# KiCad board MinicalcControlPanel.kicad_pcb (continued)
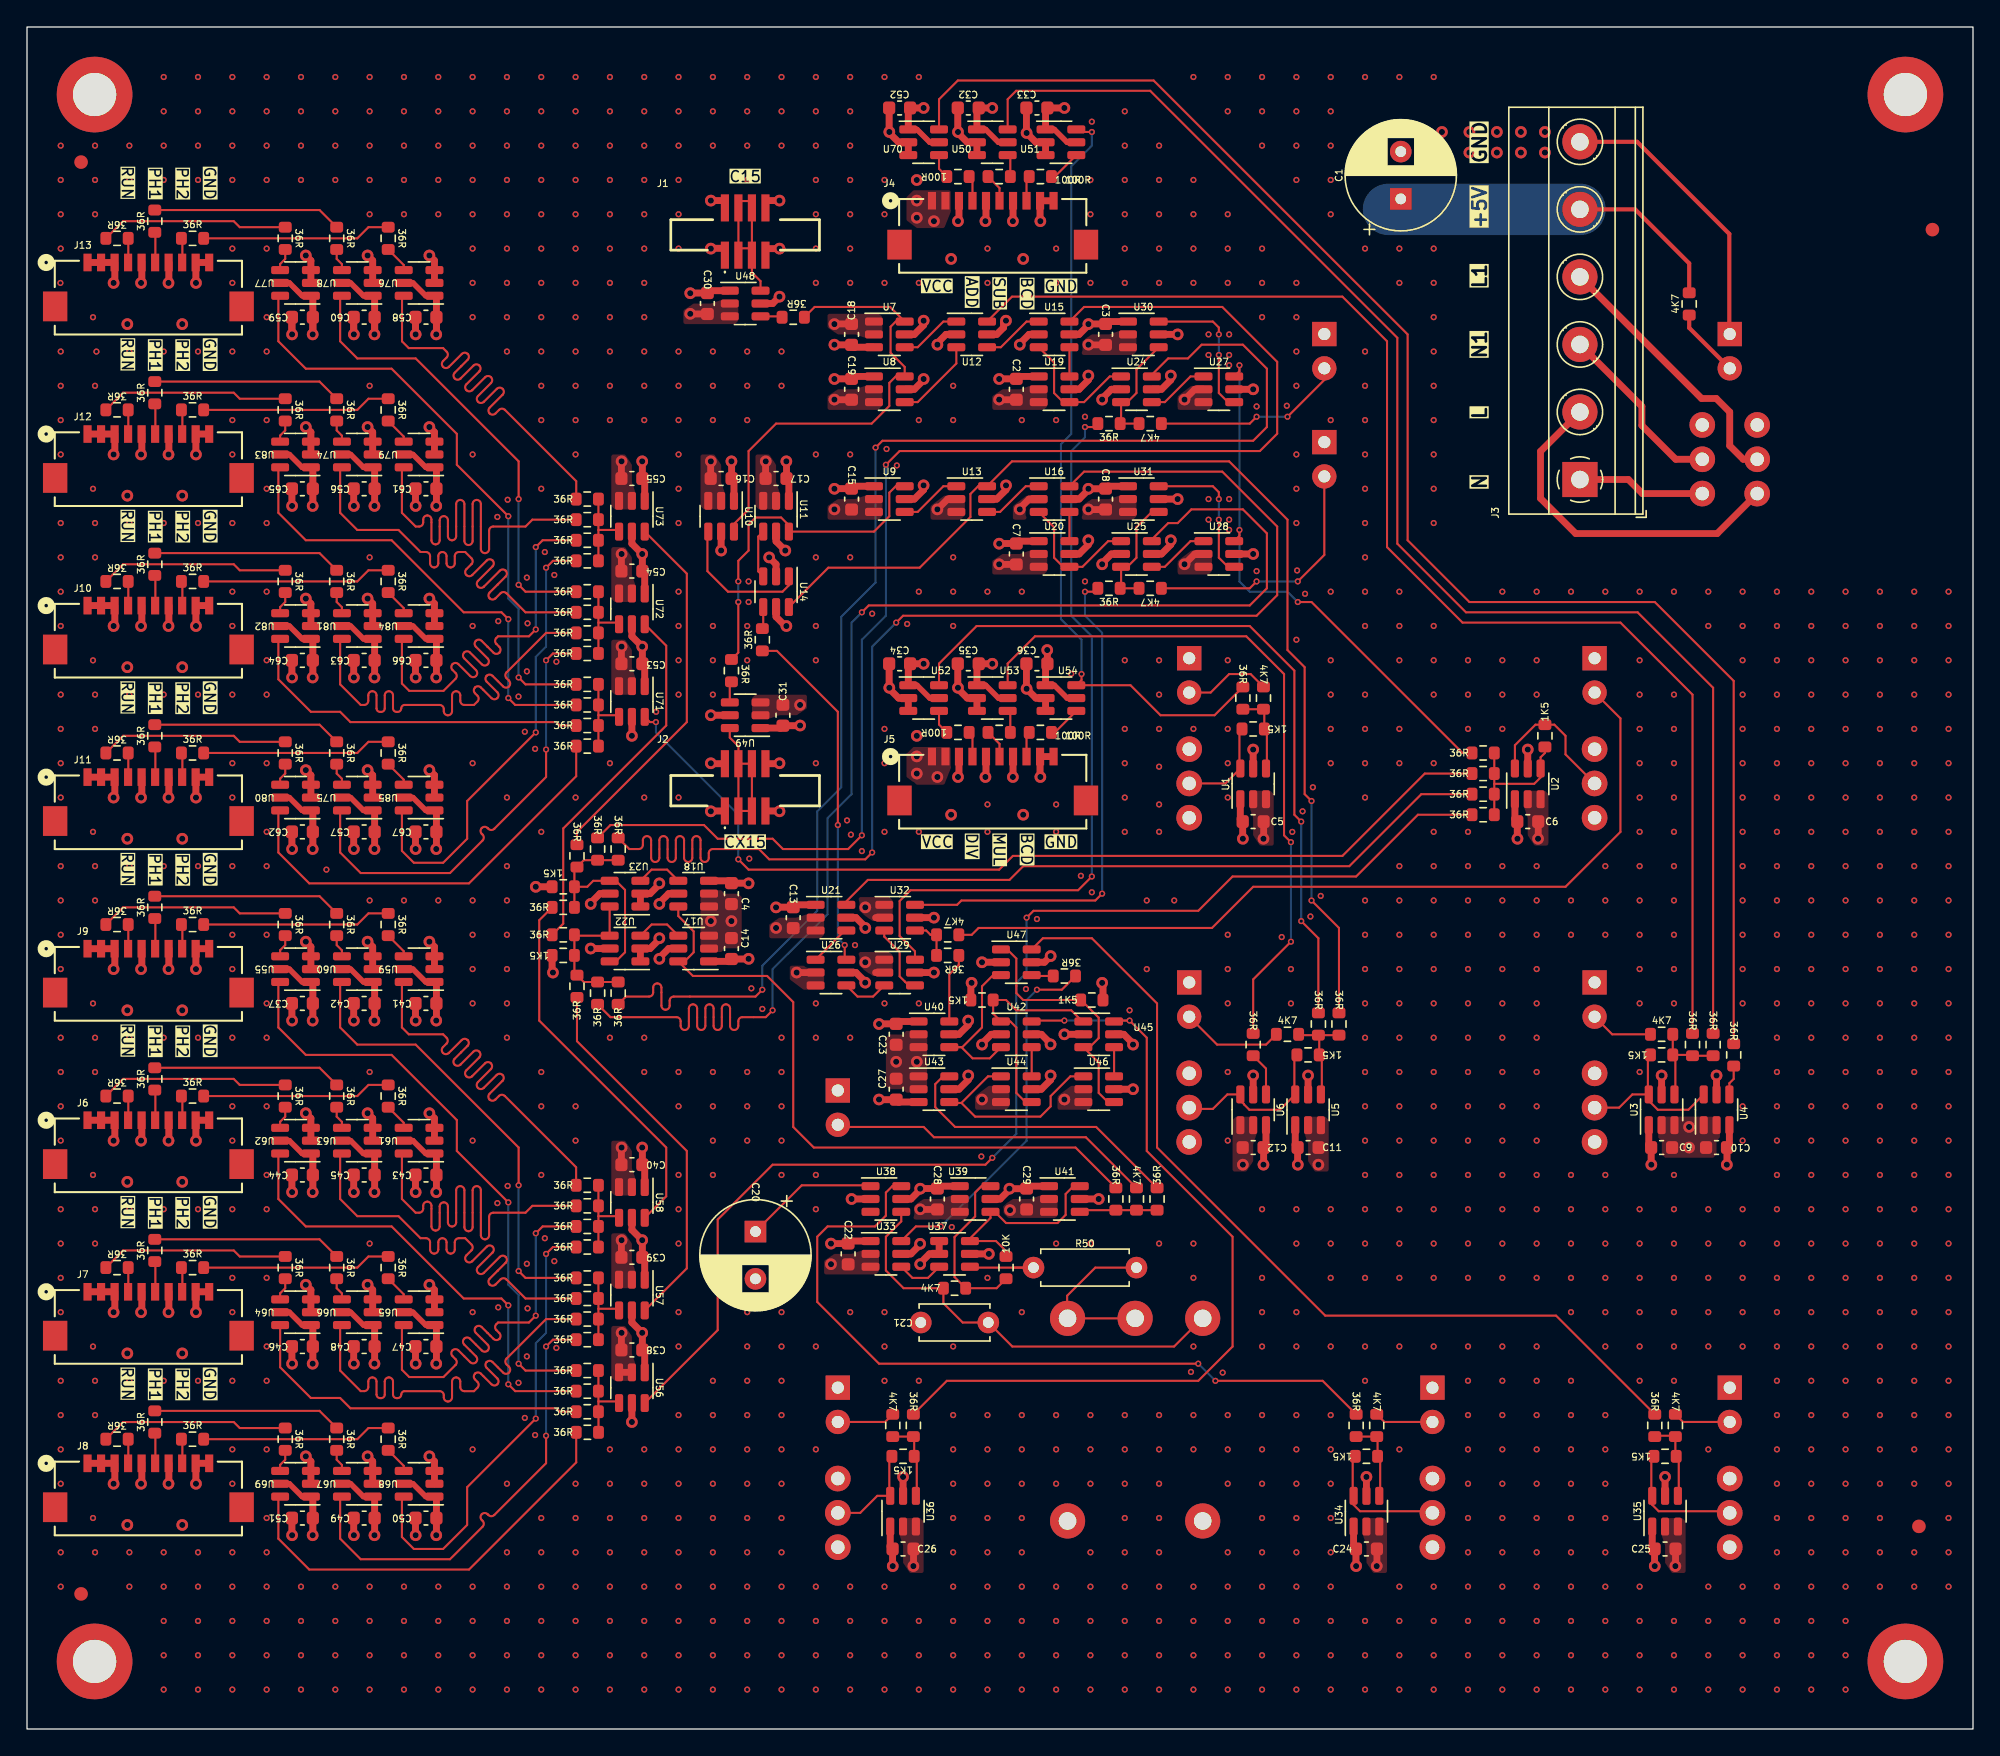
[diagram p0: board, top side]
## Routing (per net, layer and track width the routed paths; a pad name or vN(x,y) marks a point on that pad's centre or on a via; arc(x,y) is an arc through that point) (continued)
VCC: length 391.3
  Top w0.152: 61.02,91.53 61.49,92 62.15,92
  Top w0.305: J3.5 119,112.5 123,108.5 R40.2
  Top w0.406: U77.1 20.36,106.1 19.41,107.05 U77.5 ; U63.1 24.9,42.6 23.95,43.55 U63.5 ; U54.5 76.97,76.32 76.02,77.27 U54.1 ; U75.5 23.95,68.95 24.9,68 U75.1 ; U61.5 28.56,43.55 29.51,42.6 U61.1 ; U66.5 23.95,30.85 24.9,29.9 U66.1 ; U62.1 20.36,42.6 19.41,43.55 U62.5 ; U59.5 28.56,56.25 29.51,55.3 U59.1 ; U83.1 20.36,93.4 19.41,94.35 U83.5 ; U81.5 23.95,81.65 24.9,80.7 U81.1 ; U52.1 65.86,77.27 66.81,76.32 U52.5 ; U64.5 19.41,30.85 20.36,29.9 U64.1 ; U68.1 29.51,17.2 28.56,18.15 U68.5 ; U80.1 20.36,68 19.41,68.95 U80.5 ; U60.1 24.9,55.3 23.95,56.25 U60.5 ; U51.5 76.97,117.47 76.02,118.42 U51.1 ; U50.5 71.89,117.47 70.94,118.42 U50.1 ; U76.1 29.51,106.1 28.56,107.05 U76.5 ; U65.5 28.56,30.85 29.51,29.9 U65.1 ; U78.1 24.9,106.1 23.95,107.05 U78.5 ; U84.5 28.56,81.65 29.51,80.7 U84.1 ; U74.1 24.9,93.4 23.95,94.35 U74.5 ; U85.5 28.56,68.95 29.51,68 U85.1 ; U79.5 28.56,94.35 29.51,93.4 U79.1 ; U70.5 66.81,117.47 65.86,118.42 U70.1 ; U55.1 20.36,55.3 19.41,56.25 U55.5 ; U53.5 71.89,76.32 70.94,77.27 U53.1 ; U67.1 24.9,17.2 23.95,18.15 U67.5 ; U82.5 19.41,81.65 20.36,80.7 U82.1 ; U69.1 20.36,17.2 19.41,18.15 U69.5
  Top w0.508: U66.1 25.72,29.76 C48.1 25.72,27.06 v1(25.71,27.04) ; U6.5 v1(90.73,48.38) ; U17.5 47.48,57.78 46.79,57.09 v1(46.79,57.02) ; U50.1 70.29,119.87 C32.1 v1(71.43,120.01) ; v1(21.14,27.04) 21.15,27.06 C46.1 21.15,29.76 U64.1 ; U60.1 25.72,55.16 C42.1 25.72,52.46 v1(25.71,52.44) ; U43.3 64.49,46.41 C27.1 63.06,46.59 v1(63.05,46.6) ; v1(30.28,52.44) 30.29,52.46 C41.1 30.29,55.16 U59.1 ; U73.1 45.71,92.4 C55.1 45.53,93.83 v1(45.52,93.85) ; U9.1 61.19,92 C15.1 59.76,91.83 v1(59.75,91.81) ; C58.1 30.29,103.26 ; C58.1 30.29,103.26 ; C58.1 30.29,105.96 U76.1 ; 30.29,103.26 v1(30.28,103.24) 30.29,103.26 ; v1(45.52,43.05) 45.53,43.03 C40.1 45.71,41.6 U58.1 ; 53.38,62.62 C4.1 51.95,62.79 U18.3 ; 21.15,65.16 v1(21.14,65.14) 21.15,65.16 ; 21.15,65.16 C62.1 21.15,67.86 U80.1 ; 30.29,90.56 C61.1 30.29,93.26 U79.1 ; 30.29,90.56 v1(30.28,90.54) 30.29,90.56 ; U36.1 63.88,13.5 C26.1 64.05,12.07 v1(64.06,12.06) ; U17.1 51.95,56.83 C14.1 53.38,57 ; U13.5 71.76,91.05 72.45,91.74 v1(72.45,92.07) ; v1(51.36,87.24) U10.5 ; U20.5 77.85,86.99 78.54,87.67 v1(78.54,88) ; v1(41.71,61.08) 41.71,61.16 42.4,61.84 U23.5 ; U43.5 68.96,47.36 69.65,48.05 v1(69.65,48.38) ; U9.5 65.66,91.05 66.35,91.74 v1(66.35,92.07) ; U85.1 30.29,67.86 C67.1 30.29,65.16 ; U70.1 65.21,119.87 C52.1 v1(66.35,120.01) ; U55.1 21.15,55.16 C37.1 21.15,52.46 v1(21.14,52.44) ; v1(75.75,57.22) 75.29,56.76 U47.5 ; 25.72,90.56 v1(25.71,90.54) 25.72,90.56 ; 25.72,90.56 C56.1 25.72,93.26 U74.1 ; U62.1 21.15,42.46 C44.1 21.15,39.76 v1(21.14,39.74) ; C60.1 25.72,105.96 U78.1 ; C60.1 25.72,103.26 ; C60.1 25.72,103.26 ; U30.5 v1(85.15,103.24) ; v1(30.28,39.74) 30.29,39.76 C43.1 30.29,42.46 U61.1 ; 25.72,65.16 v1(25.71,65.14) 25.72,65.16 ; 25.72,65.16 C57.1 25.72,67.86 U75.1 ; 21.15,90.56 v1(21.14,90.54) 21.15,90.56 ; 21.15,90.56 C65.1 21.15,93.26 U83.1 ; U72.5 44.76,80.89 v1(45.52,80.13) 45.53,80.12 C53.1 45.71,78.69 U71.1 ; v1(75.74,48.38) 75.74,48.05 75.06,47.36 U44.5 ; v1(78.54,100.2) 78.54,99.86 77.85,99.18 U19.5 ; v1(91.5,41.78) 91.51,41.79 C12.1 91.68,43.22 U6.3 ; U27.5 v1(90.73,99.18) ; U20.1 73.38,87.94 C7.1 71.95,87.76 v1(71.94,87.75) ; v1(59.49,35.93) 60.75,35.93 C22.1 60.94,36.12 U33.1 ; U52.1 65.21,78.73 C34.1 v1(66.35,78.86) ; U45.5 81.16,51.43 81.84,50.74 v1(81.84,50.67) ; v1(30.28,27.04) 30.29,27.06 C47.1 30.29,29.76 U65.1 ; U30.1 79.99,104.19 C3.1 78.56,104.02 v1(78.54,104.01) 78.54,103.93 77.85,103.24 U15.5 ; U26.5 61.34,56 62.03,55.32 v1(62.03,55.25) ; U40.5 68.96,51.43 69.65,52.11 v1(69.65,52.44) ; v1(57.21,74.29) 57.19,74.28 55.94,74.28 55.76,74.1 U49.1 ; U57.1 45.71,34.74 C39.1 45.53,36.18 v1(45.52,36.19) 44.76,36.95 U58.5 ; v1(25.71,14.34) 25.72,14.36 C49.1 25.72,17.06 U67.1 ; v1(76.76,120.01) C33.1 75.37,119.87 U51.1 ; U69.1 21.15,17.06 C51.1 21.15,14.36 v1(21.14,14.34) ; 30.29,65.16 v1(30.28,65.14) 30.29,65.16 ; U3.1 120.01,43.22 120.18,43.05 120.18,41.79 v1(120.2,41.78) ; U56.1 45.71,27.88 C38.1 45.53,29.32 v1(45.52,29.33) 44.76,30.09 U57.5 ; 21.15,103.26 v1(21.14,103.24) 21.15,103.26 ; 21.15,103.26 C59.1 ; 21.15,103.26 C59.1 ; U73.5 44.76,87.75 v1(45.52,86.99) 45.53,86.97 C54.1 45.71,85.54 U72.1 ; U82.1 21.15,80.56 C64.1 21.15,77.86 ; v1(59.75,102.48) 59.76,102.47 C18.1 61.19,102.29 U7.3 ; U32.5 v1(67.11,60.06) ; U21.5 61.34,60.06 62.03,59.38 v1(62.03,59.3) ; v1(59.75,99.94) 59.76,99.95 C19.1 61.19,100.13 U8.1 ; U4.5 v1(125.02,48.38) ; v1(55.68,106.04) 55.17,105.53 U48.5 ; 30.29,77.86 v1(30.28,77.84) 30.29,77.86 ; 30.29,77.86 C66.1 30.29,80.56 U84.1 ; U10.1 52.31,92.4 C16.1 52.14,93.83 v1(52.13,93.85) ; U16.5 77.85,91.05 78.54,91.74 v1(78.54,91.81) 79.8,91.81 C8.1 79.99,92 U31.1 ; 21.15,77.86 v1(21.14,77.84) 21.15,77.86 ; U24.5 83.95,99.18 84.64,99.87 v1(84.64,100.2) ; U48.1 50.52,106.48 C30.1 49.09,106.31 v1(49.08,106.29) ; U25.5 83.95,86.99 84.64,87.68 v1(84.64,88) ; 66.95,113.15 J4.1 ; U5.1 93.85,43.22 C11.1 94.02,41.79 v1(94.04,41.78) ; v1(98.35,12.06) 98.34,12.07 C24.1 98.17,13.5 U34.1 ; U5.5 v1(94.8,48.38) ; U42.5 75.06,51.43 75.57,50.92 75.57,50.86 v1(75.74,50.68) ; C59.1 21.15,105.96 U77.1 ; U2.1 110.1,67.35 C6.1 110.28,65.92 v1(110.29,65.91) ; U36.5 v1(64.83,18.66) ; U4.3 125.97,43.22 125.8,43.05 125.8,41.79 v1(125.79,41.78) ; U22.5 v1(41.71,57.78) ; U29.5 v1(67.11,56) ; v1(56.19,93.85) 56.2,93.83 C17.1 56.38,92.4 U11.1 ; U54.1 75.37,78.73 C36.1 75.51,79.86 v1(75.49,79.88) ; U63.1 25.72,42.46 C45.1 25.72,39.76 v1(25.71,39.74) ; U34.5 v1(99.12,18.66) ; v1(120.45,12.06) 120.44,12.07 C25.1 120.26,13.5 U35.1 ; U3.5 v1(120.96,48.38) ; U11.5 55.43,87.93 v1(56.11,87.24) ; v1(71.94,99.94) 71.95,99.95 C2.1 73.38,100.13 U19.1 ; 25.72,77.86 C63.1 25.72,80.56 U81.1 ; 25.72,77.86 v1(25.71,77.84) 25.72,77.86 ; U18.5 47.48,61.84 46.79,61.15 v1(46.79,61.08) ; 25.72,103.26 v1(25.71,103.24) 25.72,103.26 ; 71.55,103.24 71.76,103.24 72.26,103.75 72.26,104.08 v1(72.44,104.26) ; U53.1 70.29,78.73 C35.1 v1(71.43,78.86) ; U8.5 65.66,99.18 66.35,99.87 v1(66.35,99.94) ; v1(81.84,47.36) U46.5 ; U35.5 v1(121.21,18.66) ; U14.5 55.43,82.34 56.11,81.65 v1(56.19,81.65) ; U33.5 65.41,35.17 65.91,35.68 65.91,35.74 v1(66.09,35.92) ; U41.1 74.15,40.19 C29.1 73.96,40 v1(72.7,40) 72.7,39.92 72.01,39.24 U39.5 ; U41.5 v1(79.3,39.24) ; U56.5 v1(44.76,22.73) ; U38.5 65.41,39.24 66.1,39.92 v1(66.1,40) 66.11,40.01 C28.1 67.54,40.19 U39.1 ; U40.1 64.49,52.38 C23.1 63.06,52.2 v1(63.05,52.19) ; U31.5 v1(85.15,91.05) ; v1(89.97,65.91) 89.96,65.92 C5.1 89.78,67.35 U1.1 ; v1(66.35,104.26) 66.35,103.93 65.66,103.24 U7.5 ; U49.5 v1(50.6,75.05) ; U28.5 v1(90.73,86.99) ; U21.1 56.87,61.01 C13.1 55.44,60.84 v1(55.43,60.83) ; U1.5 v1(90.73,72.51) ; U37.5 v1(71.18,35.17) ; U68.1 30.29,17.06 C50.1 30.29,14.36 v1(30.28,14.34) ; U2.5 v1(111.05,72.51) ; U71.5 v1(44.76,73.53)
  Bottom w3.81: 100.75,112.5 J3.5
  vias: v1(53.4,62.6) v1(53.4,57.02) v1(65.84,113.15) v1(65.84,111.88) v1(65.84,72) v1(65.84,70.73) v1(67.11,111.63) v1(67.37,70.48)
/ADD: length 115.8
  Top w0.152: R16.1 126.29,77.59 120.45,83.43 106.74,83.43 102.16,88 102.16,103.24 83.37,122.04 68.88,122.04 67.49,120.65 U70.6
/BCD: length 58
  Top w0.152: v2(78.8,118.23) 77.84,118.23 U51.6 ; R8.1 87.88,75.05 83.88,75.05 81.66,77.27 U54.6 78.03,77.66 v2(78.03,78.1)
  Bottom w0.152: v2(78.8,118.23) 78.8,117.21 77.27,115.69 77.27,95.88 76.51,95.12 76.51,82.16 78.03,80.64 v2(78.03,78.1)
/BCD_LED: length 6.5
  Top w0.152: R7.1 90.54,78.1 88.96,78.1 87.59,76.73 D3.2
/C15: length 34.8
  Top w0.152: R5.1 58.28,105.28 63.87,105.28 U7.6 64.29,104.19 63.9,103.81 63.9,101.88 64.95,100.84 U8.6 64.29,100.13 63.81,99.65 63.81,97.95 62.5,96.64 55.43,96.64 53.4,94.61 53.4,90.29 52.31,89.21 U10.6
/CK: length 50.5
  Top w0.152: R22.1 77.59,43.05 58.22,43.05 56.7,44.57 56.7,53.81 54.77,55.75 49.28,55.75 U17.6 48.66,56.83 49.33,57.5 49.33,59.05 48.19,60.19 U18.6 48.66,60.89
/CLK_LED: length 24.1
  Top w0.152: 59.97,44.73 60.13,44.57 66.35,44.57 67.11,43.81 78.35,43.81 R21.1
/Clock/CKS: length 21.9
  Top w0.152: U43.6 67.78,48.31 67.21,47.74 67.21,46.04 68.68,44.57 79.11,44.57 R53.2
/Clock/CLK: length 5.8
  Top w0.152: 78.03,38.41 R22.2 81.97,38.41 82.1,38.54 ; U41.4 78.03,38.16 ; R21.2 R53.1
/Clock/DISCRETE: length 67.3
  Top w0.152: U47.6 75.17,58.54 78.8,58.54 83.62,53.71 83.62,43.05 96.07,30.6 113.15,30.6 R47.1
/Clock/DISCRETE_LED: length 4.3
  Top w0.152: D10.2 122.54,22.73 R46.1
/Clock/ENABLE: length 27.1
  Top w0.152: v2(67.62,37.2) 65.78,37.2 U33.6 ; R56.1 76.57,54.73 v2(74.73,54.73)
  Bottom w0.152: v2(74.73,54.73) 73.97,53.97 73.97,43.55 v2(67.62,37.2)
/Clock/SLOW: length 57.1
  Top w0.152: 64.57,40.31 U38.6 64.03,40.19 63.56,39.71 63.56,38.01 62.75,37.2 59.24,37.2 58.48,36.44 58.48,31.62 63.05,27.04 v2(86.67,27.04) ; R45.1 95.88,25.77 v2(87.94,25.77)
  Bottom w0.152: v2(86.67,27.04) v2(87.94,25.77)
/Clock/SLOW_LED: length 4.4
  Top w0.152: D9.2 100.44,22.73 R44.1
/Clock/STEP: length 61.4
  Top w0.152: U45.6 80.51,52.44 v2(81.59,52.44) 82.86,51.17 82.86,42.79 89.21,36.44 89.21,28.31 86.67,25.77 68.06,25.77 R49.1 ; v2(76.76,52.44) 74.41,52.44 U42.6
  Bottom w0.152: v2(81.59,52.44) v2(76.76,52.44)
/Clock/STEP_LED: length 4.3
  Top w0.152: 59.97,22.73 63.5,22.73 R48.1
/ClockDistributionA/ClockDistributionSingle1/O50_16/O: length 1.8
  Top w0.152: 11.5,95.87 11.5,97.58 R122.1
/ClockDistributionA/ClockDistributionSingle1/O50_17/O: length 2.3
  Top w0.152: 9.5,95.87 9.5,98.06 R112.1
/ClockDistributionA/ClockDistributionSingle1/O50_18/O: length 1.8
  Top w0.152: R130.1 7.5,97.65 7.5,95.87
/ClockDistributionA/ClockDistributionSingle2/O50_16/O: length 1.8
  Top w0.152: 11.5,83.17 11.5,84.88 R132.1
/ClockDistributionA/ClockDistributionSingle2/O50_17/O: length 2.3
  Top w0.152: R126.1 9.5,85.36 9.5,83.17
/ClockDistributionA/ClockDistributionSingle2/O50_18/O: length 1.8
  Top w0.152: R128.1 7.5,84.95 7.5,83.17
/ClockDistributionA/ClockDistributionSingle3/O50_16/O: length 1.8
  Top w0.152: R134.1 11.5,72.18 11.5,70.47
/ClockDistributionA/ClockDistributionSingle3/O50_17/O: length 2.3
  Top w0.152: 9.5,70.47 9.5,72.66 R114.1
/ClockDistributionA/ClockDistributionSingle3/O50_18/O: length 1.8
  Top w0.152: 7.5,70.47 7.5,72.25 R124.1
/ClockDistributionA/ClockDistributionSingle/O50_16/O: length 1.8
  Top w0.152: R116.1 11.5,110.28 11.5,108.57
/ClockDistributionA/ClockDistributionSingle/O50_17/O: length 2.3
  Top w0.152: R120.1 9.5,110.76 9.5,108.57
/ClockDistributionA/ClockDistributionSingle/O50_18/O: length 1.8
  Top w0.152: R118.1 7.5,110.35 7.5,108.57
/ClockDistributionA/PH1_1: length 33.9
  Top w0.152: U75.6 23.17,67.87 23.17,64.89 24.69,63.37 31.3,63.37 33.71,65.78 arc(33.8,65.99) 33.71,66.21 33.65,66.27 arc(33.56,66.48) 33.65,66.7 arc(33.87,66.79) 34.08,66.7 34.14,66.64 arc(34.36,66.55) 34.57,66.64 38.41,70.48 v2(38.41,72.51) ; R103.1 38.92,79.62 v2(38.41,79.11)
  Bottom w0.152: v2(38.41,72.51) v2(38.41,79.11)
/ClockDistributionA/PH1_2: length 37
  Top w0.152: R104.1 38.41,81.15 35.49,78.22 arc(35.4,78.01) 35.49,77.79 35.66,77.61 arc(35.75,77.4) 35.66,77.18 arc(35.45,77.09) 35.23,77.18 34.45,77.97 arc(34.23,78.06) 34.01,77.97 arc(33.92,77.75) 34.01,77.54 34.8,76.75 arc(34.89,76.53) 34.8,76.32 arc(34.59,76.23) 34.37,76.32 33.58,77.11 arc(33.37,77.2) 33.15,77.11 arc(33.06,76.89) 33.15,76.68 33.33,76.5 arc(33.42,76.28) 33.33,76.07 33.07,75.81 32.36,75.81 arc(32.15,75.9) 32.06,76.12 32.06,76.52 arc(31.97,76.74) 31.76,76.83 arc(31.54,76.74) 31.45,76.52 31.45,75.35 arc(31.36,75.13) 31.15,75.04 arc(30.93,75.13) 30.84,75.35 30.84,75.51 arc(30.75,75.72) 30.54,75.81 27.91,75.81 arc(27.75,75.72) 27.69,75.55 arc(27.62,75.37) 27.43,75.3 27.34,75.3 arc(27.16,75.37) 27.08,75.55 27.08,76.52 arc(26.99,76.74) 26.78,76.83 arc(26.56,76.74) 26.47,76.52 26.47,75.55 arc(26.4,75.37) 26.21,75.3 26.12,75.3 arc(25.94,75.37) 25.86,75.55 25.86,76.52 arc(25.77,76.74) 25.56,76.83 arc(25.34,76.74) 25.25,76.52 25.25,76.12 arc(25.16,75.9) 24.95,75.81 24.69,75.81 23.17,77.34 23.17,80.57 U81.6
/ClockDistributionA/PH1_3: length 37
  Top w0.152: U74.6 23.17,93.27 23.17,90.04 24.44,88.77 27.49,88.77 29.12,87.13 29.52,87.13 arc(29.74,87.05) 29.82,86.83 29.82,86.3 arc(29.91,86.08) 30.13,85.99 arc(30.35,86.08) 30.43,86.3 30.43,86.83 arc(30.52,87.05) 30.74,87.13 arc(30.95,87.05) 31.04,86.83 31.04,86.3 arc(31.13,86.08) 31.35,85.99 arc(31.56,86.08) 31.65,86.3 31.65,86.83 arc(31.74,87.05) 31.96,87.13 32.42,87.13 32.89,86.67 arc(32.98,86.45) 32.89,86.24 32.51,85.86 arc(32.42,85.64) 32.51,85.43 arc(32.73,85.34) 32.94,85.43 34.02,86.51 arc(34.24,86.6) 34.45,86.51 arc(34.54,86.29) 34.45,86.08 33.37,85 arc(33.28,84.78) 33.37,84.57 arc(33.59,84.48) 33.8,84.57 34.99,85.75 arc(35.2,85.84) 35.42,85.75 arc(35.51,85.54) 35.42,85.32 34.24,84.14 arc(34.15,83.92) 34.24,83.71 arc(34.45,83.62) 34.67,83.71 35.04,84.08 arc(35.26,84.17) 35.47,84.08 36.89,82.67 R105.1
/ClockDistributionA/PH1_4: length 33.9
  Top w0.152: v2(36.38,84.7) 36.89,84.19 R106.1 ; U78.6 23.17,105.97 23.17,102.74 24.44,101.47 28.76,101.47 36.38,93.85 v2(36.38,91.05)
  Bottom w0.152: v2(36.38,91.05) v2(36.38,84.7)
/ClockDistributionA/PH2_1: length 33.9
  Top w0.152: U85.6 27.74,67.87 27.74,65.01 28.62,64.13 30.79,64.13 32.57,65.91 32.57,68.7 v2(37.65,73.78) ; R107.1 38.92,86.48 v2(38.41,85.97)
  Bottom w0.152: v2(38.41,85.97) 38.41,80.13 37.65,79.37 v2(37.65,73.78)
/ClockDistributionA/PH2_2: length 33.9
  Top w0.152: R108.1 38.16,88 v2(37.65,87.5) ; U84.6 27.74,80.57 27.74,77.4 28.28,76.85 30.82,76.85 31.71,77.75 arc(31.8,77.96) 31.71,78.18 31.49,78.4 arc(31.4,78.62) 31.49,78.83 arc(31.7,78.92) 31.92,78.83 32.79,77.96 arc(33.01,77.87) 33.22,77.96 arc(33.31,78.17) 33.22,78.39 32.35,79.26 arc(32.26,79.48) 32.35,79.69 arc(32.57,79.78) 32.78,79.69 33.66,78.82 arc(33.87,78.73) 34.09,78.82 arc(34.18,79.03) 34.09,79.25 33.21,80.12 arc(33.12,80.34) 33.21,80.56 arc(33.43,80.65) 33.64,80.56 34.52,79.68 arc(34.73,79.59) 34.95,79.68 arc(35.04,79.9) 34.95,80.11 34.73,80.33 34.73,80.33 arc(34.64,80.55) 34.73,80.77 34.85,80.89 37.14,80.89 v2(37.65,81.4)
  Bottom w0.152: v2(37.65,81.4) v2(37.65,87.5)
/ClockDistributionA/PH2_3: length 37
  Top w0.152: U79.6 27.74,93.27 27.74,90.04 28.76,89.02 29.01,89.02 arc(29.23,89.11) 29.32,89.32 29.32,89.54 arc(29.41,89.75) 29.62,89.84 arc(29.84,89.75) 29.93,89.54 29.93,88 arc(30.02,87.79) 30.23,87.7 arc(30.45,87.79) 30.54,88 30.54,89.49 arc(30.63,89.7) 30.84,89.79 arc(31.06,89.7) 31.15,89.49 31.15,88.3 arc(31.23,88.09) 31.45,88 arc(31.67,88.09) 31.76,88.3 31.76,90.69 arc(31.84,90.9) 32.06,90.99 arc(32.28,90.9) 32.36,90.69 32.36,87.95 arc(32.45,87.74) 32.67,87.65 arc(32.89,87.74) 32.97,87.95 32.97,90.69 arc(33.06,90.9) 33.28,90.99 arc(33.49,90.9) 33.58,90.69 33.58,87.35 arc(33.67,87.14) 33.89,87.05 arc(34.1,87.14) 34.19,87.35 34.19,88.72 arc(34.28,88.93) 34.5,89.02 36.89,89.02 37.39,89.53 R109.1
/ClockDistributionA/PH2_4: length 37
  Top w0.152: 40.64,91.04 40.64,92.38 35.36,97.66 arc(35.15,97.75) 34.93,97.66 34.67,97.39 arc(34.45,97.3) 34.24,97.39 arc(34.15,97.61) 34.24,97.82 35.19,98.78 arc(35.28,99) 35.19,99.21 arc(34.98,99.3) 34.76,99.21 33.8,98.25 arc(33.59,98.16) 33.37,98.25 arc(33.28,98.47) 33.37,98.69 34.33,99.64 arc(34.42,99.86) 34.33,100.08 arc(34.12,100.16) 33.9,100.08 32.94,99.12 arc(32.73,99.03) 32.51,99.12 arc(32.42,99.33) 32.51,99.55 33.47,100.51 arc(33.56,100.72) 33.47,100.94 arc(33.26,101.03) 33.04,100.94 32.08,99.98 arc(31.87,99.89) 31.65,99.98 arc(31.56,100.19) 31.65,100.41 32.61,101.37 arc(32.7,101.58) 32.61,101.8 arc(32.39,101.89) 32.18,101.8 31.22,100.84 arc(31,100.75) 30.79,100.84 arc(30.7,101.06) 30.79,101.27 31.05,101.54 arc(31.14,101.75) 31.05,101.97 30.79,102.23 28.25,102.23 27.75,102.73 27.75,105.96 27.88,106.1
/ClockDistributionA/RUN_1: length 31.7
  Top w0.152: U80.6 18.6,67.87 18.6,64.89 20.88,62.6 32.71,62.6 40.64,70.54 40.64,72.76
/ClockDistributionA/RUN_2: length 26.5
  Top w0.152: R100.1 39.43,74.29 39.17,74.54 23.93,74.54 23.17,75.3 21,75.3 18.6,77.71 18.6,80.57 U82.6
/ClockDistributionA/RUN_3: length 34.8
  Top w0.152: R101.1 36.12,75.81 v2(35.62,76.32) ; v2(35.62,82.16) 35.11,82.67 32.31,82.67 26.98,88 20.63,88 18.6,90.04 18.6,93.27 U83.6
  Bottom w0.152: v2(35.62,82.16) v2(35.62,76.32)
/ClockDistributionA/RUN_4: length 44
  Top w0.152: 18.66,106.04 U77.6 18.6,105.97 18.6,102.74 20.63,100.7 26.98,100.7 31.81,95.88 31.81,93.59 v2(35.62,89.78) ; v2(36.38,77.84) 36.89,77.34 R102.1
  Bottom w0.152: v2(35.62,89.78) 35.62,83.69 36.38,82.92 v2(36.38,77.84)
/ClockDistributionX/ClockDistributionSingle1/O50_16/O: length 1.8
  Top w0.152: R81.1 11.5,46.78 11.5,45.07
/ClockDistributionX/ClockDistributionSingle1/O50_17/O: length 2.3
  Top w0.152: 9.45,47.3 9.5,47.26 9.5,45.07
/ClockDistributionX/ClockDistributionSingle1/O50_18/O: length 1.8
  Top w0.152: R83.1 7.5,46.85 7.5,45.07
/ClockDistributionX/ClockDistributionSingle2/O50_16/O: length 1.8
  Top w0.152: R89.1 11.5,34.08 11.5,32.37
/ClockDistributionX/ClockDistributionSingle2/O50_17/O: length 2.3
  Top w0.152: R91.1 9.5,34.56 9.5,32.37
/ClockDistributionX/ClockDistributionSingle2/O50_18/O: length 1.8
  Top w0.152: 7.5,32.37 7.5,34.15 R87.1
/ClockDistributionX/ClockDistributionSingle3/O50_16/O: length 1.8
  Top w0.152: 11.5,19.67 11.5,21.38 R95.1
/ClockDistributionX/ClockDistributionSingle3/O50_17/O: length 2.3
  Top w0.152: 9.5,19.67 9.5,21.86 R93.1
/ClockDistributionX/ClockDistributionSingle3/O50_18/O: length 1.8
  Top w0.152: 7.5,19.67 7.5,21.45 R97.1
/ClockDistributionX/ClockDistributionSingle/O50_16/O: length 1.8
  Top w0.152: R77.1 11.5,59.48 11.5,57.77
/ClockDistributionX/ClockDistributionSingle/O50_17/O: length 2.3
  Top w0.152: 9.5,57.77 9.5,59.96 R79.1
/ClockDistributionX/ClockDistributionSingle/O50_18/O: length 1.8
  Top w0.152: R63.1 7.5,59.55 7.5,57.77
/ClockDistributionX/PH1_1: length 33.9
  Top w0.152: U67.6 23.17,17.07 23.17,14.09 24.69,12.57 31.3,12.57 33.71,14.98 arc(33.8,15.19) 33.71,15.41 33.65,15.47 arc(33.56,15.68) 33.65,15.9 arc(33.87,15.99) 34.08,15.9 34.14,15.84 arc(34.36,15.75) 34.57,15.84 38.41,19.68 v2(38.41,21.71) ; R68.1 38.92,28.82 v2(38.41,28.31)
  Bottom w0.152: v2(38.41,21.71) v2(38.41,28.31)
/ClockDistributionX/PH1_2: length 37
  Top w0.152: R69.1 38.41,30.35 35.49,27.42 arc(35.4,27.21) 35.49,26.99 35.66,26.81 arc(35.75,26.6) 35.66,26.38 arc(35.45,26.29) 35.23,26.38 34.45,27.17 arc(34.23,27.26) 34.01,27.17 arc(33.92,26.95) 34.01,26.74 34.8,25.95 arc(34.89,25.73) 34.8,25.52 arc(34.59,25.43) 34.37,25.52 33.58,26.31 arc(33.37,26.4) 33.15,26.31 arc(33.06,26.09) 33.15,25.88 33.33,25.7 arc(33.42,25.48) 33.33,25.27 33.07,25.01 32.36,25.01 arc(32.15,25.1) 32.06,25.32 32.06,25.72 arc(31.97,25.94) 31.76,26.03 arc(31.54,25.94) 31.45,25.72 31.45,24.55 arc(31.36,24.33) 31.15,24.24 arc(30.93,24.33) 30.84,24.55 30.84,24.71 arc(30.75,24.92) 30.54,25.01 27.91,25.01 arc(27.75,24.92) 27.69,24.75 arc(27.62,24.57) 27.43,24.5 27.34,24.5 arc(27.16,24.57) 27.08,24.75 27.08,25.72 arc(26.99,25.94) 26.78,26.03 arc(26.56,25.94) 26.47,25.72 26.47,24.75 arc(26.4,24.57) 26.21,24.5 26.12,24.5 arc(25.94,24.57) 25.86,24.75 25.86,25.72 arc(25.77,25.94) 25.56,26.03 arc(25.34,25.94) 25.25,25.72 25.25,25.32 arc(25.16,25.1) 24.95,25.01 24.69,25.01 23.17,26.54 23.17,29.77 U66.6
/ClockDistributionX/PH1_3: length 37
  Top w0.152: U63.6 23.17,42.47 23.17,39.24 24.44,37.97 27.49,37.97 29.12,36.33 29.52,36.33 arc(29.74,36.25) 29.82,36.03 29.82,35.5 arc(29.91,35.28) 30.13,35.19 arc(30.35,35.28) 30.43,35.5 30.43,36.03 arc(30.52,36.25) 30.74,36.33 arc(30.95,36.25) 31.04,36.03 31.04,35.5 arc(31.13,35.28) 31.35,35.19 arc(31.56,35.28) 31.65,35.5 31.65,36.03 arc(31.74,36.25) 31.96,36.33 32.42,36.33 32.89,35.87 arc(32.98,35.65) 32.89,35.44 32.51,35.06 arc(32.42,34.84) 32.51,34.63 arc(32.73,34.54) 32.94,34.63 34.02,35.71 arc(34.24,35.8) 34.45,35.71 arc(34.54,35.49) 34.45,35.28 33.37,34.2 arc(33.28,33.98) 33.37,33.77 arc(33.59,33.68) 33.8,33.77 34.99,34.95 arc(35.2,35.04) 35.42,34.95 arc(35.51,34.74) 35.42,34.52 34.24,33.34 arc(34.15,33.12) 34.24,32.91 arc(34.45,32.82) 34.67,32.91 35.04,33.28 arc(35.26,33.37) 35.47,33.28 36.89,31.87 R70.1
/ClockDistributionX/PH1_4: length 33.9
  Top w0.152: U60.6 23.17,55.17 23.17,51.94 24.44,50.67 28.76,50.67 36.38,43.05 v2(36.38,40.25) ; R71.1 36.89,33.39 v2(36.38,33.9)
  Bottom w0.152: v2(36.38,40.25) v2(36.38,33.9)
/ClockDistributionX/PH2_1: length 33.9
  Top w0.152: v2(37.65,22.98) 32.57,17.9 32.57,15.11 30.79,13.33 28.62,13.33 27.74,14.21 27.74,17.07 U68.6 ; v2(38.41,35.17) 38.92,35.68 R72.1
  Bottom w0.152: v2(37.65,22.98) 37.65,28.57 38.41,29.33 v2(38.41,35.17)
/ClockDistributionX/PH2_2: length 33.9
  Top w0.152: R73.1 38.16,37.2 v2(37.65,36.7) ; v2(37.65,30.6) 37.14,30.09 34.85,30.09 34.73,29.97 arc(34.64,29.75) 34.73,29.53 34.73,29.53 34.95,29.31 arc(35.04,29.1) 34.95,28.88 arc(34.73,28.79) 34.52,28.88 33.64,29.76 arc(33.43,29.85) 33.21,29.76 arc(33.12,29.54) 33.21,29.32 34.09,28.45 arc(34.18,28.23) 34.09,28.02 arc(33.87,27.93) 33.66,28.02 32.78,28.89 arc(32.57,28.98) 32.35,28.89 arc(32.26,28.68) 32.35,28.46 33.22,27.59 arc(33.31,27.37) 33.22,27.16 arc(33.01,27.07) 32.79,27.16 31.92,28.03 arc(31.7,28.12) 31.49,28.03 arc(31.4,27.82) 31.49,27.6 31.71,27.38 arc(31.8,27.16) 31.71,26.95 30.82,26.05 28.28,26.05 27.74,26.6 27.74,29.77 U65.6
  Bottom w0.152: v2(37.65,30.6) v2(37.65,36.7)
/ClockDistributionX/PH2_3: length 37
  Top w0.152: R74.1 37.39,38.73 36.89,38.22 34.5,38.22 arc(34.28,38.13) 34.19,37.92 34.19,36.55 arc(34.1,36.34) 33.89,36.25 arc(33.67,36.34) 33.58,36.55 33.58,39.89 arc(33.49,40.1) 33.28,40.19 arc(33.06,40.1) 32.97,39.89 32.97,37.15 arc(32.89,36.94) 32.67,36.85 arc(32.45,36.94) 32.36,37.15 32.36,39.89 arc(32.28,40.1) 32.06,40.19 arc(31.84,40.1) 31.76,39.89 31.76,37.5 arc(31.67,37.29) 31.45,37.2 arc(31.23,37.29) 31.15,37.5 31.15,38.69 arc(31.06,38.9) 30.84,38.99 arc(30.63,38.9) 30.54,38.69 30.54,37.2 arc(30.45,36.99) 30.23,36.9 arc(30.02,36.99) 29.93,37.2 29.93,38.74 arc(29.84,38.95) 29.62,39.04 arc(29.41,38.95) 29.32,38.74 29.32,38.52 arc(29.23,38.31) 29.01,38.22 28.76,38.22 27.74,39.24 27.74,42.47 U61.6
/ClockDistributionX/PH2_4: length 37
  Top w0.152: U59.6 27.74,55.17 27.74,51.94 28.25,51.43 30.79,51.43 31.04,51.17 arc(31.13,50.96) 31.04,50.74 30.78,50.48 arc(30.69,50.26) 30.78,50.05 arc(31,49.96) 31.21,50.05 32.17,51.01 arc(32.39,51.1) 32.6,51.01 arc(32.69,50.79) 32.6,50.58 31.64,49.62 arc(31.55,49.4) 31.64,49.19 arc(31.86,49.1) 32.07,49.19 33.03,50.14 arc(33.25,50.23) 33.46,50.14 arc(33.55,49.93) 33.46,49.71 32.5,48.75 arc(32.41,48.54) 32.5,48.32 arc(32.72,48.23) 32.94,48.32 33.89,49.28 arc(34.11,49.37) 34.33,49.28 arc(34.41,49.07) 34.33,48.85 33.37,47.89 arc(33.28,47.68) 33.37,47.46 arc(33.58,47.37) 33.8,47.46 34.76,48.42 arc(34.97,48.51) 35.19,48.42 arc(35.28,48.21) 35.19,47.99 34.23,47.03 arc(34.14,46.81) 34.23,46.6 arc(34.44,46.51) 34.66,46.6 34.92,46.86 arc(35.14,46.95) 35.35,46.86 40.63,41.59 R75.1
/ClockDistributionX/RUN_1: length 31.8
  Top w0.152: R64.1 40.64,19.74 32.71,11.8 20.88,11.8 18.6,14.09 18.6,17.07 U69.6 18.66,17.14
/ClockDistributionX/RUN_2: length 26.5
  Top w0.152: R65.1 39.43,23.49 39.17,23.74 23.93,23.74 23.17,24.5 21,24.5 18.73,26.78 U64.6 18.66,29.84
/ClockDistributionX/RUN_3: length 34.9
  Top w0.152: v2(35.62,25.52) 36.12,25.01 R66.1 ; v2(35.62,31.36) 35.11,31.87 32.31,31.87 26.98,37.2 20.63,37.2 18.6,39.24 18.6,42.47 U62.6 18.66,42.54
  Bottom w0.152: v2(35.62,31.36) v2(35.62,25.52)
/ClockDistributionX/RUN_4: length 44
  Top w0.152: R67.1 36.89,26.54 v2(36.38,27.04) ; 18.66,55.24 U55.6 18.6,55.17 18.6,51.94 20.63,49.9 26.98,49.9 31.81,45.08 31.81,42.79 v2(35.62,38.98)